# Altium PCB StratoChovy.PcbDoc (part 2 of 2) (continued)
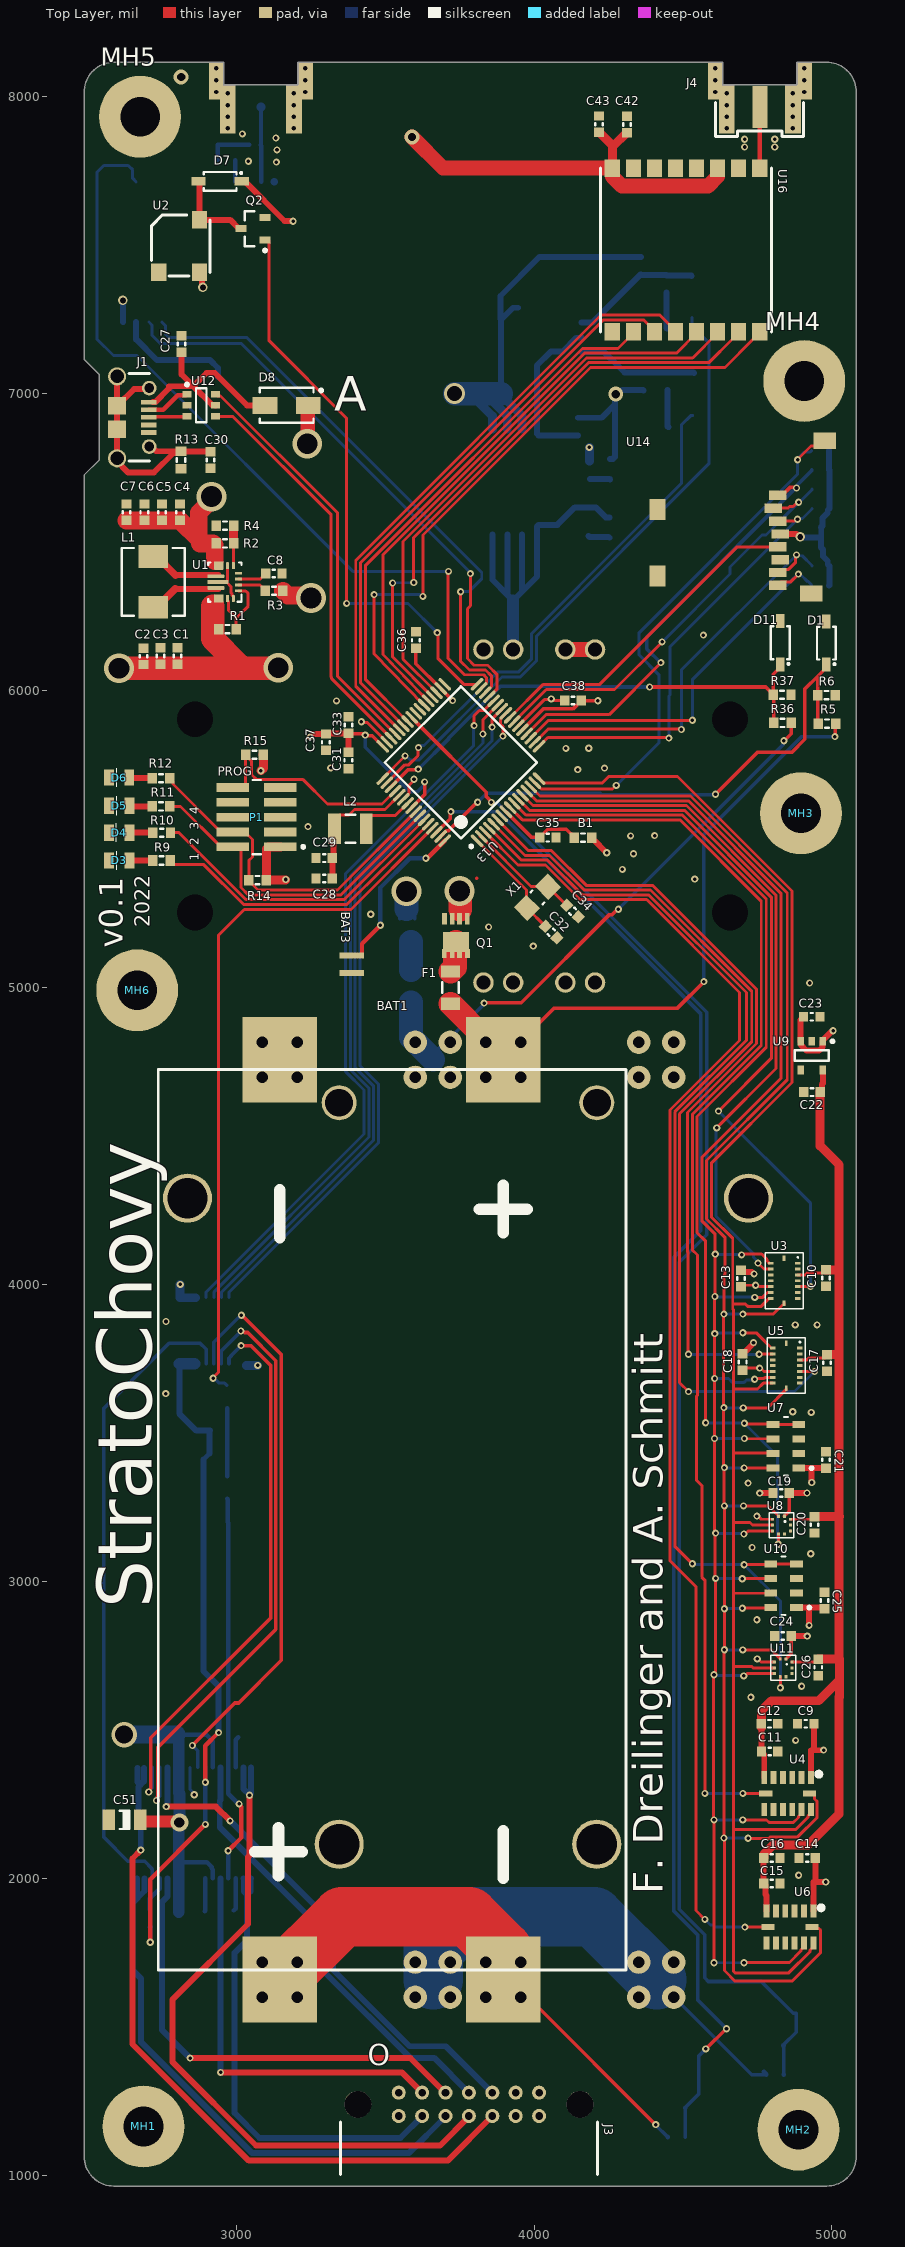
[diagram p0: Top Layer view]
## Nets (pads, with @x,y where several pads share a name; then routed paths per layer and width w, separated by ;. In a path a pad name is that pad's centre, name@x,y a point inside that pad or via, vN(x,y) a via of type N, cw(c..) or ccw(c..) an arc to the next point about the centre after c; other vN are vias at no path point) (continued)
  Top Layer w10: R11.2@2709.61,5614.59 R11.2@2714.2,5610
  Top Layer w12: D5.2@2637.45,5612 D5.2@2639.45,5610
  Top Layer w20: D5.2@2639.45,5610 R11.2@2714.2,5610
NetD6_2: D6.2 R12.2 | length 78.7
  Top Layer w12: D6.2@2637.28,5707.39 D6.2@2639.67,5705 ; D6.2@2637.73,5707.39 D6.2@2638.12,5707.77
  Top Layer w20: D6.2@2639.67,5705 R12.2@2714.42,5705
NetD7_1: D7.1 Q2.3 U2.2 | length 283.4
  Top Layer w20: D7.1@2870.34,7714.68 2870.39,7714.68 2874.17,7710.9 U2.2@2874.17,7585 2976.93,7585 3006.93,7555 Q2.3@3013.82,7555
NetD9_2: D9.2 R26.2 | length 68.3
  Bottom Layer w20: R26.2@4188.69,6712.79 4254.63,6712.79 D9.2@4256.32,6711.1
NetD10_1: D10.1 Q3.5 Q3.6 Q3.7 Q3.8 U18.6 | length 1373.8
  Bottom Layer w20: Q3.8@3860,6524.85 3860,6373.2 3910,6323.2 ; Q3.7@3910,6524.85 3910,6323.2 ; Q3.6@3960,6524.85 3960,6333.65 ; D10.1@4241.5,6583.45 4207.95,6617 4137.4,6617 4078.56,6558.16 4015.31,6558.16 4010,6552.85 Q3.5@4010,6524.85 4010,6383.65 3960,6333.65 ; D10.1@4242.87,6583.45 D10.1@4253.7,6583.45 ; 3910,6323.2 3929.78,6303.43 3960,6333.65
  Bottom Layer w40: U18.6@3929.78,6138.29 3929.78,6303.43
NetD10_2: D10.2 R29.2 | length 72.3
  Bottom Layer w20: R29.2@4183.7,6520.02 4186.43,6517.29 4250.96,6517.29 D10.2@4253.7,6514.55
NetF1_2: F1.2 Q1.5 | length 107.4
  Top Layer w80: F1.2@3719,5054.13 3733.61,5068.75 3733.61,5150.66 Q1.5@3737,5154.04
NetF2_2: F2.2 Q6.5 | length 94.9
  Bottom Layer w80: F2.2@3586,5059.11 Q6.5@3586,5154.04
NetJ2_S1: J2.S1 L3.2 U15.11 | length 252.8
  Bottom Layer w14.4: L3.2@3079.37,7837 3082,7834.37 U15.11@3082,7713.39 ; L3.2@3080.66,7837 J2.S1@3080.66,7964.97
  Bottom Layer w30: J2.S1@3080.56,7965.06 J2.S1@3080.66,7964.97
NetL1_1: L1.1 U1.11 | length 245.7
  Top Layer w20: 2791.94,6342.5 U1.11@2937.99,6342.5
  Top Layer w25: L1.1@2718,6280.37 2729.81,6280.37 2791.94,6342.5
NetL1_2: L1.2 U1.9 | length 245.8
  Top Layer w20: 2792.94,6388.5 U1.9@2937.68,6388.5
  Top Layer w25: L1.2@2718,6451.63 2729.81,6451.63 2792.94,6388.5
NetQ3_4: Q3.4 R23.1 U17.3 | length 559.6
  Bottom Layer w20: R23.1@4148,6859.47 4015.31,6859.47 4010,6864.78 Q3.4@4010,6881.15 4010,7094.88 4056.47,7141.35 4095.9,7141.35 4142.37,7187.82 4159.1,7187.82 U17.3@4160.28,7189
NetQ4_3: Q4.3 R27.1 | length 126.6
  Bottom Layer w20: R27.1@4450,7012 4450,6889.81 4451.81,6888 Q4.3@4453.65,6888
NetQ5_3: Q5.3 R28.1 | length 126.4
  Bottom Layer w20: R28.1@4445.65,7339.73 4445.65,7220.07 4447.46,7218.26 Q5.3@4451.65,7218.26
NetQ7_1: Q7.1 Q8.2 R30.1 | length 231.7
  Bottom Layer w10: Q8.2@2966.77,3585.12 Q8.2@2967.76,3584.13 ; Q7.1@2967.26,3354 Q7.1@2967.76,3354.49
  Bottom Layer w15: Q7.1@2967.76,3354.49 R30.1@2967.76,3508.35 Q8.2@2967.76,3584.13
NetR1_1: R1.1 U1.1@3004.46,6335.91 U1.14 | length 244.9
  Top Layer w10: U1.14@2968.32,6303.51 2972,6299.82 2972,6270.11 2997.09,6245.02 2997.09,6244.76 ; R1.1@2997.09,6207.27 2997.09,6244.76 ; U1.1@3004.46,6335.91 3004.73,6335.63 3029.34,6335.63 3037.56,6327.41 3037.56,6284.03 3009.53,6256 3008.32,6256 2997.09,6244.76
NetR2_1: R2.1 R4.1 U1.5 | length 135.1
  Top Layer w10: U1.5@2987.72,6420.55 2987.72,6427.09 2988.61,6427.98 R2.1@2988.61,6495.46
  Top Layer w30: R2.1@2988.61,6495.46 2988.66,6495.51 2988.66,6555.24 R4.1@2988.71,6555.29
NetR3_1: R3.1 U1.2 | length 100.4
  Top Layer w10: U1.2@3004.46,6355.59 3077.84,6355.59 3095.56,6337.88 R3.1@3095.56,6335.91
NetR22_1: R22.1 U15.9 | length 72.6
  Bottom Layer w15: R22.1@2993.53,7785 2994.26,7784.26 2994.26,7713.74 U15.9@2995,7713
NetR31_1: R31.1 U20.29 | length 118.8
  Bottom Layer w15: R31.1@2707,1895.92 2707,1934.17 2721.22,1948.39 2721.41,1948.39 2739.7,1966.68 2739.7,2000.85 U20.29@2739.84,2000.99
NetR33_1: R33.1 U20.23 | length 110.6
  Bottom Layer w15: R33.1@2892,1891 2893.24,1892.24 2893.24,2000.85 U20.23@2893.39,2000.99
NetR34_2: R34.2 U20.14 | length 104.3
  Bottom Layer w15: U20.14@2995.75,2375.01 2995.75,2467.69 R34.2@3004,2475.94
NetR35_1: R35.1 U20.19 | length 110.8
  Bottom Layer w15: R35.1@2989,1892.97 2995.61,1899.57 2995.61,2000.85 U20.19@2995.75,2000.99
NetU13_25: U13.25 U19.5 | length 2410.7
  Top Layer w10: v1(3895,5847) 3894.92,5847.08 3894.92,5879.69 3887.2,5887.41 3887.2,5904.85 3905.5,5923.15 U13.25@3905.5,5923.64
  Bottom Layer w10: U19.5@2973,3957 2973,3974.72 3476,4477.72 3476,4674.88 3414,4736.88 3414,5364.27 3895,5845.27 v1(3895,5847)
NetU13_26: U13.26 U19.4 | length 2423
  Top Layer w10: v1(3858.97,5877.27) 3858.97,5904.95 U13.26@3891.58,5937.56
  Bottom Layer w10: U19.4@2947.41,3957 2947.41,3974.72 3460,4487.31 3460,4668.25 3398,4730.25 3398,5370.89 3858.97,5831.86 v1(3858.97,5877.27)
NetU13_27: U13.27 U19.3 | length 2441.8
  Top Layer w10: v1(3828.09,5853.76) 3828.09,5901.91 U13.27@3877.66,5951.48
  Bottom Layer w10: U19.3@2921.82,3957 2923.05,3958.23 2923.05,3975.95 3444,4496.9 3444,4661.63 3382,4723.63 3382,5377.52 3828.09,5823.61 v1(3828.09,5853.76)
NetU13_28: U13.28 U19.2 | length 2469.5
  Top Layer w10: v1(3798.09,5881.88) 3798.09,5915.09 3815.68,5932.68 3831.02,5932.68 U13.28@3863.74,5965.4
  Bottom Layer w10: U19.2@2896.23,3957 2896.23,3975.23 3428,4507 3428,4655 3366,4717 3366,5384.15 3796,5814.15 3796,5879.79 v1(3798.09,5881.88)
NetU13_35: U13.35 U16.14 | length 1909.2
  Top Layer w10: U13.35@3671.65,5993.24 3559.07,6105.82 3559.07,6502.33 4176.75,7120 4534.12,7120 4618,7203.88 U16.14@4618,7207.82
NetU13_36: U13.36 U16.15 | length 2044.5
  Top Layer w10: v1(3524,6362.2) 3524,6113.05 U13.36@3657.73,5979.32 ; v1(3595,6364) 3595,6515.63 4183.37,7104 4588.49,7104 4667.78,7183.29 4668.28,7183.29 4688.87,7203.88 U16.15@4688.87,7207.82
  Bottom Layer w10: v1(3524,6362.2) 3524.9,6363.1 3594.1,6363.1 v1(3595,6364)
NetU13_37: U13.37 U16.13 | length 1922.4
  Top Layer w10: U13.37@3624.8,5984.42 3491.84,6121.39 3491.84,6457.72 4170.12,7136 4479.25,7136 4547.13,7203.88 U16.13@4547.13,7207.82
  Top Layer w12: U13.37@3624.8,5984.42 3631.82,5977.39 U13.37@3643.81,5965.4
NetU13_38: U13.38 U16.16 | length 2232.6
  Top Layer w10: v1(3461.84,6323.33) 3461.84,6122.81 U13.38@3628.92,5951.49 ; v1(3626,6317.21) 3626,6524 4190,7088 4643,7088 4738.29,7183.29 4739.14,7183.29 4759.73,7203.88 U16.16@4759.73,7207.82
  Bottom Layer w10: v1(3461.84,6323.33) 3616.09,6323.33 3622.21,6317.21 v1(3626,6317.21)
NetU13_39: U13.39
NetU13_40: U13.40
NetU18_7: U18.7 U18.8 | length 100
  Top Layer w50: U18.7@4105.37,6138.29 U18.8@4205.37,6138.29
NetU19_10: U19.10 U20.3 | length 1898.2
  Top Layer w12: v1(2703,2292) 2703,2295.25 2708.3,2300.54 2708.3,2302.78 2710,2304.49 2710,2474 3113,2877 3113,3728.84 3047.3,3794.54 3014.46,3794.54 v1(3014,3795)
  Bottom Layer w12: v1(2703,2292) 2703,2295.25 2714.25,2306.5 U20.3@2714.25,2375.01 ; U19.10@2973,3734.56 2973,3752.76 2979.7,3759.46 2979.7,3760.7 v1(3014,3795)
NetU19_11: U19.11 U20.4 | length 2059.6
  Top Layer w12: v1(2729,2263.26) 2731.3,2265.56 2731.3,2276.46 2734,2279.16 2734,2442.16 3131,2839.16 3131,3744.06 3036.06,3839 3026.03,3839 3023.33,3841.7 3015.3,3841.7 v1(3013,3844)
  Bottom Layer w12: v1(2729,2263.26) 2729,2266.51 2739.84,2277.35 U20.4@2739.84,2375.01 ; U19.11@2947.41,3734.56 2947.41,3776.41 3013,3842 v1(3013,3844)
NetU19_12: U19.12 U20.9 | length 1919.8
  Top Layer w12: v1(2849.8,2448.51) 2992.9,2591.62 3005.68,2591.62 3149,2734.94 3149,3765 3017.04,3896.96 v1(3014.71,3896.96)
  Bottom Layer w12: v1(2849.8,2448.51) 2867.9,2430.41 2867.9,2375.11 U20.9@2867.8,2375.01 ; U19.12@2921.82,3734.56 2921.82,3805.82 3012.96,3896.96 v1(3014.71,3896.96)
NetU19_13: U19.13 U20.30 | length 2174.3
  Bottom Layer w12: U20.30@2714.25,2000.99 2714.25,2031.53 2712.38,2033.41 2712.38,2034.91 2688.9,2058.39 2632.64,2058.39 2552,2139.03 2552,3583.78 2771.25,3803.03 2875.39,3803.03 2896.23,3782.19 U19.13@2896.23,3734.56
PPS: U13.31 U15.3 | length 2744.3
  Top Layer w10: v1(3712,6401.4) 3711,6400.4 3711,6108 3765.71,6053.29 3830.38,6053.29 3840.28,6043.39 3840.28,6025.95 3821.98,6007.65 U13.31@3821.98,6007.16
  Bottom Layer w10: U15.3@2660.35,7713 2648.62,7724.73 2648.62,7753.38 2633.77,7768.23 2551.59,7768.23 2528,7744.64 2528,7184 2584,7128 2663.47,7128 3390.07,6401.4 v1(3712,6401.4)
RF_BUSY: U13.43 U16.11 | length 1956
  Top Layer w10: U13.43@3560.3,5881.88 3415.84,6026.34 3415.84,6430.36 4227.08,7241.6 4227.08,7241.9 4233.52,7248.35 4368.81,7248.35 4405.4,7211.76 U16.11@4405.4,7207.82
RF_DIO1: U13.42 U16.10 | length 1814.7
  Top Layer w10: U13.42@3574.22,5895.8 3431.84,6038.18 3431.84,6420.35 4163.49,7152 4282.65,7152 4334.54,7203.88 U16.10@4334.54,7207.82
RF_NRESET: U13.44 U16.12 | length 2075.4
  Top Layer w10: U13.44@3546.38,5867.96 3399.84,6014.5 3399.84,6438.39 4225.8,7264.35 4423.68,7264.35 4476.27,7211.76 U16.12@4476.27,7207.82
RST: P1.10 R15.1 U13.52 | length 763
  Top Layer w10: P1.10@2986,5674 3019.55,5674 3029.12,5683.57 R15.1@3029.12,5782.03 ; R15.1@3029.12,5784 R15.1@3029.12,5782.03 ; U13.52@3532.46,5661.96 3531.97,5661.96 3488.01,5618 3304.75,5618 3222.75,5700 3066.78,5700 3049,5717.78 3049,5762.15 R15.1@3029.12,5782.03
SCK: U3.8 U4.14 U5.8 U6.14 U7.8 U8.2 U10.8 U11.2 U13.14 | length 6886.7
  Top Layer w10: U13.14@3989.02,5675.88 3989.51,5675.88 4020.38,5645 4526.53,5645 4852.55,5318.98 4852.55,4689.55 4581,4418 4581,4221.37 4642.49,4159.88 4642.49,4034.08 4639,4030.59 v1(4639,3901) ; v1@4638.32,3585.32 4638.32,3386.68 v1(4641,3384) 4640,3383 4640,3256 v1(4641,3255) ; v1@4638.32,3586.68 v1@4638.32,3900.32 ; v1(4641,2908.99) v1@4641.25,2908.74 ; v1@4641.5,3254.5 4641.5,2908.99 v1@4641.25,2908.74 ; v1(4701.5,2910.41) 4702.58,2911.49 4795.86,2911.49 U10.8@4796.94,2912.57 ; v1(4702.56,2770.5) 4798.87,2770.5 U11.2@4828.94,2740.43 ; v1(4703,3901) 4805.56,3901 4837.82,3933.26 4842.09,3933.26 4842.17,3933.33 U3.8@4842.17,3937.61 ; v1(4704.56,3585) 4786.58,3585 U5.8@4849.15,3647.57 ; v1(4705.25,3255) 4789.04,3255 U8.2@4823.1,3220.94 ; v1(4707.25,3383) 4707.76,3382.49 4804.18,3382.49 U7.8@4804.69,3381.98 ; v1(4720.9,2136) 4791.23,2136 4796.23,2141 4887.92,2141 4953.39,2206.47 4953.39,2259.59 4944.46,2268.51 4944.46,2282.16 4939.62,2287 U4.14@4927.46,2287 ; U6.14@4935.41,1837.03 4940.25,1832.18 4959.14,1832.18 4965,1826.33 4965,1751.22 4868.78,1655 4677,1655 4641.25,1690.75 4641.25,2134.75 v1(4639,2137) 4640,2138 4640,2769.75 4641.25,2771 v1@4641.25,2908.74
  Bottom Layer w10: v1(4639,2137) 4639.5,2136.5 4720.4,2136.5 v1(4720.9,2136) ; v1(4639,3586) 4639.5,3585.5 4704.06,3585.5 v1(4704.56,3585) ; v1(4639,3901) v1(4703,3901) ; v1(4641,2771) 4641.25,2770.75 4702.31,2770.75 v1(4702.56,2770.5) ; v1(4641,2908.99) 4641.71,2909.7 4700.79,2909.7 v1(4701.5,2910.41) ; v1(4641,3255) v1(4705.25,3255) ; v1(4641,3384) 4641.5,3383.5 4706.75,3383.5 v1(4707.25,3383)
SD_CD: R21.2 U13.15 U14.CD | length 1872.4
  Top Layer w10: U13.15@4003.07,5689.79 4003.43,5689.79 4024.22,5669 4264,5669 4275.71,5680.71 v1(4277,5680.71) ; v1(4887.32,6777) 4887.32,6778.23 4932.2,6823.1 4961.12,6823.1 U14.CD@4978.74,6840.72
  Top Layer w12: U13.15@4002.94,5689.79 U13.15@4003.07,5689.79
  Bottom Layer w10: v1(4277,5680.71) 4420,5823.71 4420,6053.63 4354,6119.63 4354,6194.76 4887.32,6728.09 v1(4887.32,6777) 4887.32,6780.74 4909.88,6803.3 4929.87,6803.3 R21.2@4934.77,6808.2
SD_CLK: U13.24 U14.5 | length 1139.7
  Top Layer w10: U13.24@3919.42,5909.72 4029.7,6020 4220,6020 4684.03,6484.03 U14.5@4821.26,6484.03
SD_CMD: R17.2 U13.17 U14.3 | length 1499.5
  Top Layer w10: U13.17@4016.85,5812.29 4046.57,5842 4452.12,5842 v1(4454,5840.12) ; U14.3@4821.26,6570.65 4876.86,6570.65 4883.21,6577 v1(4887,6577)
  Bottom Layer w10: v1(4454,5840.12) 4454,5982.01 4457,5985.01 4457,6147 4889.68,6579.68 4904.29,6579.68 4935.64,6611.03 R17.2@4935.64,6613
SD_DAT0: R18.2 U13.18 U14.7 | length 1425.2
  Top Layer w10: U13.18@4002.94,5826.21 4046.85,5870.12 4494.82,5870.12 v1(4495.94,5869) ; U14.7@4821.26,6397.42 4832.01,6408.17 4857.41,6408.17 4880.98,6431.74 4880.98,6453.98 v1(4883.66,6456.66)
  Bottom Layer w10: v1(4495.94,5869) 4495.94,6068.94 v1(4883.66,6456.66) ; v1@4886.03,6453.98 4902.63,6453.98 4935.65,6420.97 R18.2@4935.65,6419
SD_DAT1: R20.2 U13.19 U14.8 | length 1354.4
  Top Layer w10: U13.19@3989.02,5840.12 4047.89,5899 4532,5899 v1(4533,5900) ; U14.8@4821.26,6354.11 4832.01,6364.86 4862.86,6364.86 v1(4890,6392)
  Bottom Layer w10: v1(4533,5900) 4533,6036.8 4888.2,6392 v1(4890,6392) ; v1@4890,6389.32 4899.15,6389.32 4921.76,6366.72 4923.72,6366.72 4934.47,6355.97 R20.2@4934.47,6354
SD_DAT2: R19.2 U13.20 U14.1 | length 1527
  Top Layer w10: U13.20@3975.1,5854.04 4040.05,5919 4253,5919 4427,6093 v1(4427,6094)
  Top Layer w12: U14.1@4821.26,6657.26 4835.04,6657.26 4861.76,6683.98 4881.68,6683.98 v1(4883.66,6682)
  Bottom Layer w12: v1(4427,6094) 4426.09,6094 4379.78,6140.31 4379.78,6181.25 4880.53,6682 v1(4883.66,6682) 4885.96,6684.3 4885.96,6692.22 4934.77,6741.03 R19.2@4934.77,6743
SD_DAT3: R16.2 U13.23 U14.2 | length 1434.7
  Top Layer w10: U13.23@3933.34,5895.8 4041.54,6004 4271.3,6004 v1(4431.3,6164) ; U14.2@4805.51,6613.95 4854.95,6613.95 4860.37,6619.37 4872.58,6619.37 4887.21,6634 v1(4891,6634)
  Bottom Layer w10: v1(4431.3,6164) 4659.99,6392.69 4659.99,6415.95 4767.68,6523.63 4780.63,6523.63 v1(4891,6634) 4893.44,6634 4935.47,6676.03 R16.2@4935.47,6678
SQB_HI_1A: J3.3 U20.5 | length 1720.8
  Top Layer w20: v1(2762,2242.71) 2929.02,2242.71 v1(2977,2194.73)
  Bottom Layer w20: v1(2762,2242.71) 2762,2243.79 2765.43,2247.22 U20.5@2765.43,2375.01 ; v1(2977,2194.73) 3322.48,1849.25 3322.48,1694.52 3581,1436 3703.26,1436 J3.3@3859.52,1279.74
SQB_HI_1B: J3.4 U20.12 | length 1490.9
  Bottom Layer w20: U20.12@2944.57,2375.01 2944.57,2265.2 2942,2262.64 2942,2173 3296.48,1818.52 3296.48,1683.52 3583.03,1396.97 3663.55,1396.97 J3.4@3780.78,1279.74
SQB_HI_2A: J3.5 U20.28 | length 1560.7
  Top Layer w20: v1(2842.11,1395.89) 2842.66,1396.45 3583.55,1396.45 J3.5@3700.26,1279.74
  Bottom Layer w20: U20.28@2765.43,2000.99 2765.43,1939.43 2747,1921 2747,1491 v1(2842.11,1395.89) ; J3.5@3700.77,1281.01 J3.5@3702.04,1279.74
SQB_HI_2B: J3.6 U20.21 | length 1360
  Top Layer w20: v1(2944.57,1348) 3555.04,1348 J3.6@3623.3,1279.74
  Bottom Layer w20: v1(2944.57,1348) U20.21@2944.57,2000.99
SQB_LO_1A: J3.12 U20.1 U20.2 | length 2449.7
  Top Layer w20: v1(2675.87,2096.13) 2648,2068.27 2648,1443 3040,1051 3709.52,1051 J3.12@3859.52,1201
  Bottom Layer w20: U20.1@2665.2,2372.88 2665.2,2325.49 2674.69,2316 2686.54,2327.85 U20.2@2686.54,2372.88 ; v1@2675.3,2096.7 2675.87,2097.27 2675.87,2197.92 2668,2205.79 2668,2309.31 2675.3,2316.61
SQB_LO_1B: J3.11 U20.15 U20.16 | length 2367.5
  Top Layer w20: v1(3042,2281) 3042,2078.59 3037,2073.59 3037,1847.27 2783.5,1593.77 2783.5,1382.27 3063.77,1102 3684,1102 3780.78,1198.78 J3.11@3780.78,1201
  Bottom Layer w20: U20.15@3021.34,2375.01 3021.34,2302.74 v1@3042,2282.08 ; U20.16@3046.93,2375.01 3046.93,2287.01 v1@3042,2282.08 ; J3.11@3775.56,1195.79 J3.11@3780.78,1201 ; v1@3042,2282.08 v1(3042,2281) v1@3042,2282.08
SQB_LO_2A: J3.10 U20.31 U20.32 | length 1873.9
  Bottom Layer w20: 2663.07,1937.07 U20.32@2663.07,2000.99 ; U20.31@2688.66,2000.99 2688.66,1958.66 2649,1919 2649,1692 2676.5,1664.5 2676.5,1450.5 3051,1076 3578.78,1076 J3.10@3702.04,1199.26
SQB_LO_2B: J3.9 U20.17 U20.18 | length 1569.4
  Bottom Layer w20: U20.18@3021.34,2000.99 3023.46,1998.87 3023.46,1956.54 3034,1946 ; U20.17@3046.93,2000.99 3044.8,1998.87 3044.8,1956.8 3034,1946 ; J3.9@3623.3,1200.3 3550,1127 3076,1127 2992,1211 2992,1750.7 3034,1792.7 3034,1946
USB_CON_N: J1.2 U12.1 | length 150.5
  Top Layer w15: J1.2@2702.68,6945.53 2751.75,6945.53 2800.77,6994.55 2828.19,6994.55 U12.1@2831.52,6997.87
USB_CON_P: J1.3 U12.3 | length 130.1
  Top Layer w12: J1.3@2702.68,6919.94 2704.24,6921.5 2829.95,6921.5 U12.3@2831.52,6923.07
USB_N: U12.6 U13.45 | length 1400.2
  Top Layer w10: U12.6@2927.98,6997.87 2933.8,6992.05 2944.79,6992.05 3338,6598.83 3338,6048.26 U13.45@3531.96,5854.3
USB_P: U12.4 U13.46 | length 1361.5
  Top Layer w10: U12.4@2927.98,6923.07 2985.93,6923.07 3317,6592 3317,6045.91 3318.66,6044.25 3318.66,6040.25 3502.76,5856.15 3502.76,5855.9 U13.46@3518.54,5840.12
VBACKUP: BAT3.+ U13.64 | length 569.1
  Top Layer w15: BAT3.+@3387,5108 3418.5,5108 3420.84,5110.34 3420.84,5147.84 v1(3483,5210) ; v1(3636,5435.75) 3637.72,5437.47 3642.04,5437.47 U13.64@3699.49,5494.92
  Bottom Layer w15: v1(3483,5210) 3483,5336.92 3581.83,5435.75 v1(3636,5435.75)
VBAT: C1.1 C2.1 C3.1 C49.1 C50.1 C51.1 D8.2 Q1.1 R1.2 U1.12 U1.13 U20.6 U20.7 U20.11 U20.22 U20.26 U20.27 | length 8151.1
  Top Layer w12: Q1.1@3724.6,5232.09 3724.6,5243.61 3743.99,5263 3751.48,5263 3756,5263 3775.39,5243.61 Q1.1@3775.39,5232.09
  Top Layer w40: C51.1@2674.3,2198 2674.3,2194.73 2675.95,2193.08 2802.09,2193.08 v6(2805.92,2189.25)
  Top Layer w50: v3(3236.86,6830.87) 3238.42,6832.44 3238.42,6958.91 D8.2@3239.98,6960.47
  Top Layer w80: v3(2603.01,6075) C2.1@2683.36,6075 ; C2.1@2685.72,6075 3137,6075 v3(3139,6077) ; 2918,6226 2918,6175 3005.98,6087.02 ; 2918,6233 2918,6284 ; v3(3749,5325) 3751.48,5322.52 3751.48,5263
  Plane (3V3) w80: v3(2603.01,6075) 2603.01,5335.99 2867,5072 2867,4901 2692.67,4726.67 2692.67,2559.02 2620,2486.35 v7(2620,2485) ; v3@2608.06,6075 3239.98,6706.93 3239.98,6827.75 v3(3236.86,6830.87) ; v3(3139,6077) 3142.83,6073.17 3142.83,6038.67 3745.17,5436.32 3745.17,5328.83 v3(3749,5325)
  Bottom Layer w15: C50.1@2796,2486 C50.1@2802.35,2486 ; 2804,2056 2898.13,2056 2914.76,2039.37 2914.76,2034.94 2918.98,2030.72 U20.22@2918.98,2000.99 ; C50.1@2808.8,2485 2897,2485 2918.98,2463.02 U20.11@2918.98,2375.01
  Bottom Layer w40: C50.1@2802.35,2486 2804,2484.35 2804,2288.25 2807,2285.25 2807,2198 v6@2804,2195 ; C49.1@2804,1888 2804,2056 2804,2187.33 v6(2805.92,2189.25)
  Bottom Layer w60: v7(2620,2485) 2620.5,2485.5 2795.5,2485.5 C50.1@2796,2486
VBAT_COTS: D9.1 Q3.1 Q3.2 Q3.3 Q6.1 R23.2 R24.2 R25.2 U17.8 | length 4909
  Plane (3V3) w20: v8(3732,7000) 3733,6999 4274,6999 v5(4275,6998)
  Plane (3V3) w80: v3(3571,5324) 3571,5329.41 3561,5339.41 3561,5344.5 2991,5914.5 2991,6268 3713,6990 3716.59,6990 3726.59,7000 v8(3732,7000)
  Bottom Layer w12: Q6.1@3547.61,5232.09 3547.61,5243.61 3569,5265 3571,5265 ; Q6.1@3573.6,5232.09 3571.63,5234.07 3571.63,5264.37 3571,5265 ; Q6.1@3598.4,5232.09 3598.4,5243.61 3577.01,5265 3571,5265
  Bottom Layer w20: 3889,6999 3889,7249.02 ; U17.8@3945.72,7289 3928.98,7289 3889,7249.02 ; R23.2@4148,6918.53 4227.53,6918.53 4272.2,6963.2 ; D9.1@4256.32,6780 4265.47,6780 4272.2,6786.73 4272.2,6963.2 ; R25.2@4360.04,7459.53 4017.98,7459.53 3887.17,7328.72 3887.17,7250.85 3889,7249.02 ; R24.2@4368.92,7010.03 4366.48,7012.47 4297.59,7012.47 4283.12,6998 v5(4275,6998) 4272.2,6995.2 4272.2,6963.2
  Bottom Layer w30: 3798.85,6985.61 3860,6924.46 Q3.1@3860,6881.15 ; 3849.26,6985.61 3910,6924.86 Q3.2@3910,6881.15 ; 3898.85,6985.61 3960,6924.46 Q3.3@3960,6881.15
  Bottom Layer w50: v8(3732,7000) v8@3733,6999
  Bottom Layer w80: 3571,5265 v3(3571,5324) ; v8@3733,6999 3889,6999
VBUS: C27.1 D8.1 J1.1 U12.5 | length 700.4
  Top Layer w20: J1.1@2717.13,6971.12 2717.49,6970.76 2724.36,6970.76 2770.71,7017.1 2770.71,7024.7 2852.91,7024.7 ; C27.1@2813,7139.44 2813,7064.61 2852.91,7024.7 ; U12.5@2927.98,6960.47 2927.15,6961.3 2916.31,6961.3 2852.91,7024.7 ; D8.1@3094.32,6960.47 3033.53,6960.47 2925,7069 2897.21,7069 2852.91,7024.7
VCELLA: BAT1.CELL1+ BAT1.CELL2- R7.2 | length 1970.9
  Top Layer w12: BAT1.CELL2-@3992.16,1588.84 v1@4409,1172
  Top Layer w15: BAT1.CELL2-@3835.25,1719.15 3861.85,1719.15 3861.85,1709.8 3864.7,1706.95 3874.05,1706.95 3941.17,1639.83 3941.17,1630.48 3957.31,1614.34 3966.66,1614.34 3966.66,1604.99 3982.81,1588.84 BAT1.CELL2-@3992.16,1588.84 ; BAT1.CELL2-@3894.31,1660.09 3894.31,1640.61 3943.62,1591.3 BAT1.CELL2-@3963.11,1591.3 ; v1@4409,1172 v1(4410,1172)
  Top Layer w200: BAT1.CELL1+@3141.94,1660.1 3353.37,1871.52 3781.11,1871.52 3894.31,1758.33 BAT1.CELL2-@3894.31,1660.09
  Bottom Layer w12: v1@4410,1170.44 R7.2@4449.47,1130.97
  Bottom Layer w15: v1@4410,1170.44 v1(4410,1172) ; R7.2@4449.47,1129 R7.2@4449.47,1130.97
VCELLA_COTS: BAT4.CELL1+ BAT4.CELL2- R38.2 | length 1500.8
  Bottom Layer w12: BAT4.CELL1+@4472.36,1601.04 4733.4,1340 R38.2@4782.44,1340
  Bottom Layer w15: BAT4.CELL1+@4413.31,1660.1 BAT4.CELL1+@4472.36,1601.04 ; R38.2@4773.78,1350.22 4774.19,1350.22 4782.44,1341.97 R38.2@4782.44,1340
  Bottom Layer w200: BAT4.CELL2-@3660.95,1660.09 3660.95,1758.33 3774.14,1871.52 4201.88,1871.52 BAT4.CELL1+@4413.31,1660.1
VCELLB: BAT1.CELL2+ F1.1 R5.2 | length 2094.6
  Top Layer w12: BAT1.CELL2+@3894.31,4756.95 3894.31,4776.43 3943.62,4825.74 3963.11,4825.74 4068.6,4931.24 4483.24,4931.24 v1(4572,5020) ; v1(5012.95,5845) 5014.22,5846.26 5014.22,5887.74 R5.2@5015.48,5889
  Top Layer w80: F1.1@3719,4945.87 3835.25,4829.61 BAT1.CELL2+@3835.25,4816
  Bottom Layer w12: v1(4572,5020) 4572,5516.45 4900.55,5845 v1(5012.95,5845)
VCELLB_COTS: BAT4.CELL2+ F2.1 R36.2 | length 1940.4
  Top Layer w12: v1(3832,4948) 3833,4949 3956.51,4949 4252.17,5244.67 4261.67,5244.67 4280.75,5263.75 v1(4284,5263.75) ; v1(4841,5831) 4842.17,5831 4866.4,5855.23 R36.2@4866.4,5890.95
  Bottom Layer w12: BAT4.CELL2+@3660.95,4756.95 3660.95,4776.43 3710.26,4825.74 3712.99,4825.74 3832,4944.75 v1(3832,4948) ; v1(4284,5263.75) 4838.7,5818.45 4838.7,5828.7 v1(4841,5831)
  Bottom Layer w80: F2.1@3586,4950.85 3586,4831.89 BAT4.CELL2+@3660.95,4756.95
VDDCORE: C28.2 C29.1 L2.1 U13.53 | length 452.3
  Top Layer w10: L2.1@3328.69,5535.18 3328.69,5564.71 3345.34,5581.36 3377.36,5581.36 3396,5600 3498.34,5600 U13.53@3546.38,5648.04
  Top Layer w20: C28.2@3321.17,5367.75 3321.17,5435.75 3324.93,5439.51 3324.93,5531.43 L2.1@3328.69,5535.18
VS: C10.1 C11.2 C12.1 C15.2 C16.1 C17.1 C20.1 C22.1 C26.1 U3.3 U4.6 U5.3 U6.6 U8.10 U9.5 U11.10 | length 4195.3
  Top Layer w10: U8.10@4863.04,3210.19 4935.33,3210.19 C20.1@4944,3218.86 ; U11.10@4868.88,2729.68 4947.55,2729.68 C26.1@4956.86,2739 ; U3.3@4887.84,4032.68 4912.59,4032.68 4919.28,4039.37 4971.27,4039.37 C10.1@4982.02,4050.12 ; U5.3@4894.9,3747 4918.52,3747 4924.89,3753.37 C17.1@4979.81,3753.37 ; C17.1@4975.81,3753.37 C17.1@4986.56,3764.12
  Top Layer w20: C12.1@4765.46,2508.96 4765.46,2428.22 C11.2@4765.69,2428 4765.69,2427.02 4775.06,2417.64 U4.6@4775.06,2340.97 ; C16.1@4773,2070 C15.2@4773,1984 4778.75,1978.25 4778.75,1947.26 4783.01,1943 U6.6@4783.01,1891 ; C22.1@4963.12,4648 4968.87,4653.75 4968.87,4674.47 4972.4,4678.01 U9.5@4972.4,4722.77
  Top Layer w30: C12.1@4765.24,2521.75 4765.24,2565.11 4799.13,2599 4958,2599 5027,2668 ; C12.1@4765.46,2508.96 C12.1@4765.46,2529.03 ; C16.1@4773,2070 4773.75,2070.75 4773.75,2081.75 4806,2114 4923,2114 5027,2218 5027,2612 ; C20.1@4944,3218.86 5029,3218.86 ; C26.1@4956.86,2739 5027.86,2739 5027.86,2612 ; C22.1@4963.12,4648 4963.12,4466.88 5027,4403 5027,4052.74 ; C10.1@4982.02,4050.12 4982.76,4049.37 5023.63,4049.37 5025,4050.74 5027,4052.74 ; C17.1@4987.34,3764.9 5026.56,3764.9 ; 5027,2745.89 5027,3218.86 5027,4052.74
VSW: L2.2 U13.55 | length 190.9
  Top Layer w10: L2.2@3434.98,5535.18 3434.98,5563.35 3451.64,5580 3534.02,5580 U13.55@3574.22,5620.2
pads on no net: BAT1.CLIP BAT4.CLIP J1.4 J3.7 J3.8 MH1.1 MH2.1 MH3.1 MH4.1 MH5.1 MH6.1 P1.6 P1.7 P1.8 U1.0 U1.1@2913.39,6345.75 U1.1@2913.39,6385.12 U1.1@2943.91,6345.75 U1.1@2943.91,6385.12 U1.1@2953.67,6365.44 U2.3 U3.1 U3.12 U3.13 U3.16 U4.3 U4.8 U4.9 U4.10 U4.11 U5.1 U5.12 U5.13 U5.16 U6.3 U6.8 U6.9 U6.10 U6.11 U8.7 U11.7 U14.SHIELD1 U14.SHIELD2 U14.SHIELD3 U15.1 U15.2 U15.4 U15.5 U15.6 U15.8 U15.14 U15.15 U15.16 U15.17 U15.18 U15.19 U16.6 U16.9 U17.5 U17.7 U18.Hole1 U18.Hole2 U18.Hole3 U18.Hole4 U19.6 U19.9
copper on no net: | length 18
  Plane (3V3) w10: 2484.25,965.76 2485.24,964.78 ; 5094.14,964.78 5100,970.64 ; 5094.14,8116.93 5100,8111.07

## Polygon pours and split planes (outlines as drawn)
GND on Plane (3V3) "GND_L03_P014" (solid, pour order 14): 3280.2,8115.25 3280.2,7717.84 3176.36,7614 2941.96,7614 2885.96,7670 2885.96,8115.21 2886,8115.25

## Silkscreen, mask and mechanical layers (free items; w line width, h text height)
Top Overlay:
  text "A" at 3327,6904 h200
  text "PROG" at 2935,5714 h30
  text "1  2  3  4" at 2872,5427 h30 r90
  text "2022" at 2707,5203 h50 r90
  text "v0.1" at 2615,5135 h80 r90
  text "StratoChovy" at 2712.63,2910 h185 r90
  text "F. Dreilinger and A. Schmitt" at 4434,1948 h100 r90
  text "O" at 3440,1348 h120
Bottom Overlay:
  text "L" at 4075,7391 h170
  text "M" at 5049,7213 h100
  text "Jl" at 4613.98,7047.43 h1100
  text "T" at 4600.61,6919.56 h1500
Board Outline:
  circle w0.25: c5085,8115.99 r0.12

## Text inside footprints (layer, text, board x,y; h text height)
C49: Mechanical 19 "+" at 2843,1777.85 h30 r90; Mechanical 19 "-" at 2842,1899.85 h30 r90
C50: Mechanical 19 "-" at 2758,2474.15 h30 r270; Mechanical 19 "+" at 2757,2596.15 h30 r270
C51: Mechanical 19 "+" at 2564.15,2237 h30 r180; Mechanical 19 "-" at 2686.15,2236 h30 r180
J1: Mechanical 1 "Board Edge" at 2488.11,7018.36 h30 r270
J2: Mechanical 1 "J1" at 3060.68,8190.25 h30 r180
J4: Mechanical 1 "J1" at 4779.82,8190.25 h30 r180